# Altium PCB doanthue_13_4_2020.PcbDoc
Units mil, origin at the board's own origin, x right, y up, seen from the top; angles counter-clockwise.
Board outline 3017 x 4362 mil, 2 copper layers (Top Layer, Bottom Layer); 69 components, 67 nets, 240 pads, 21 vias.
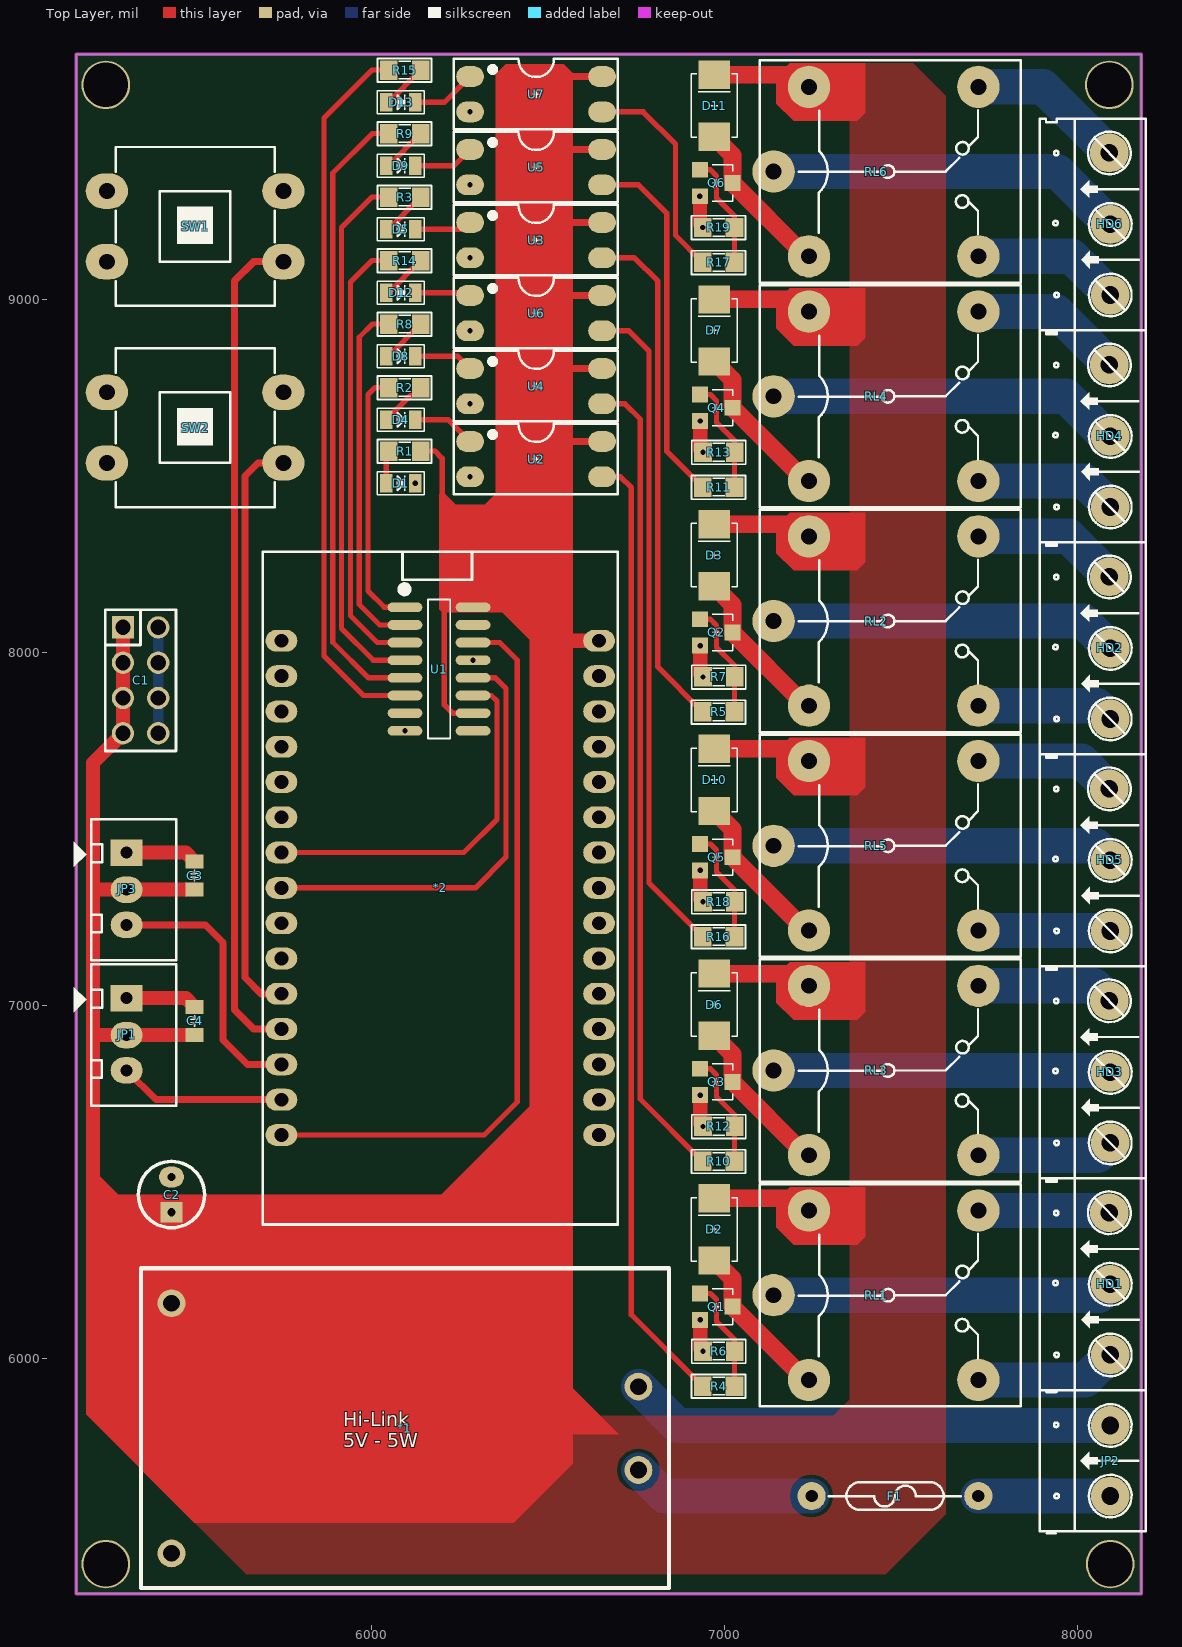
[diagram p0: Top Layer view]
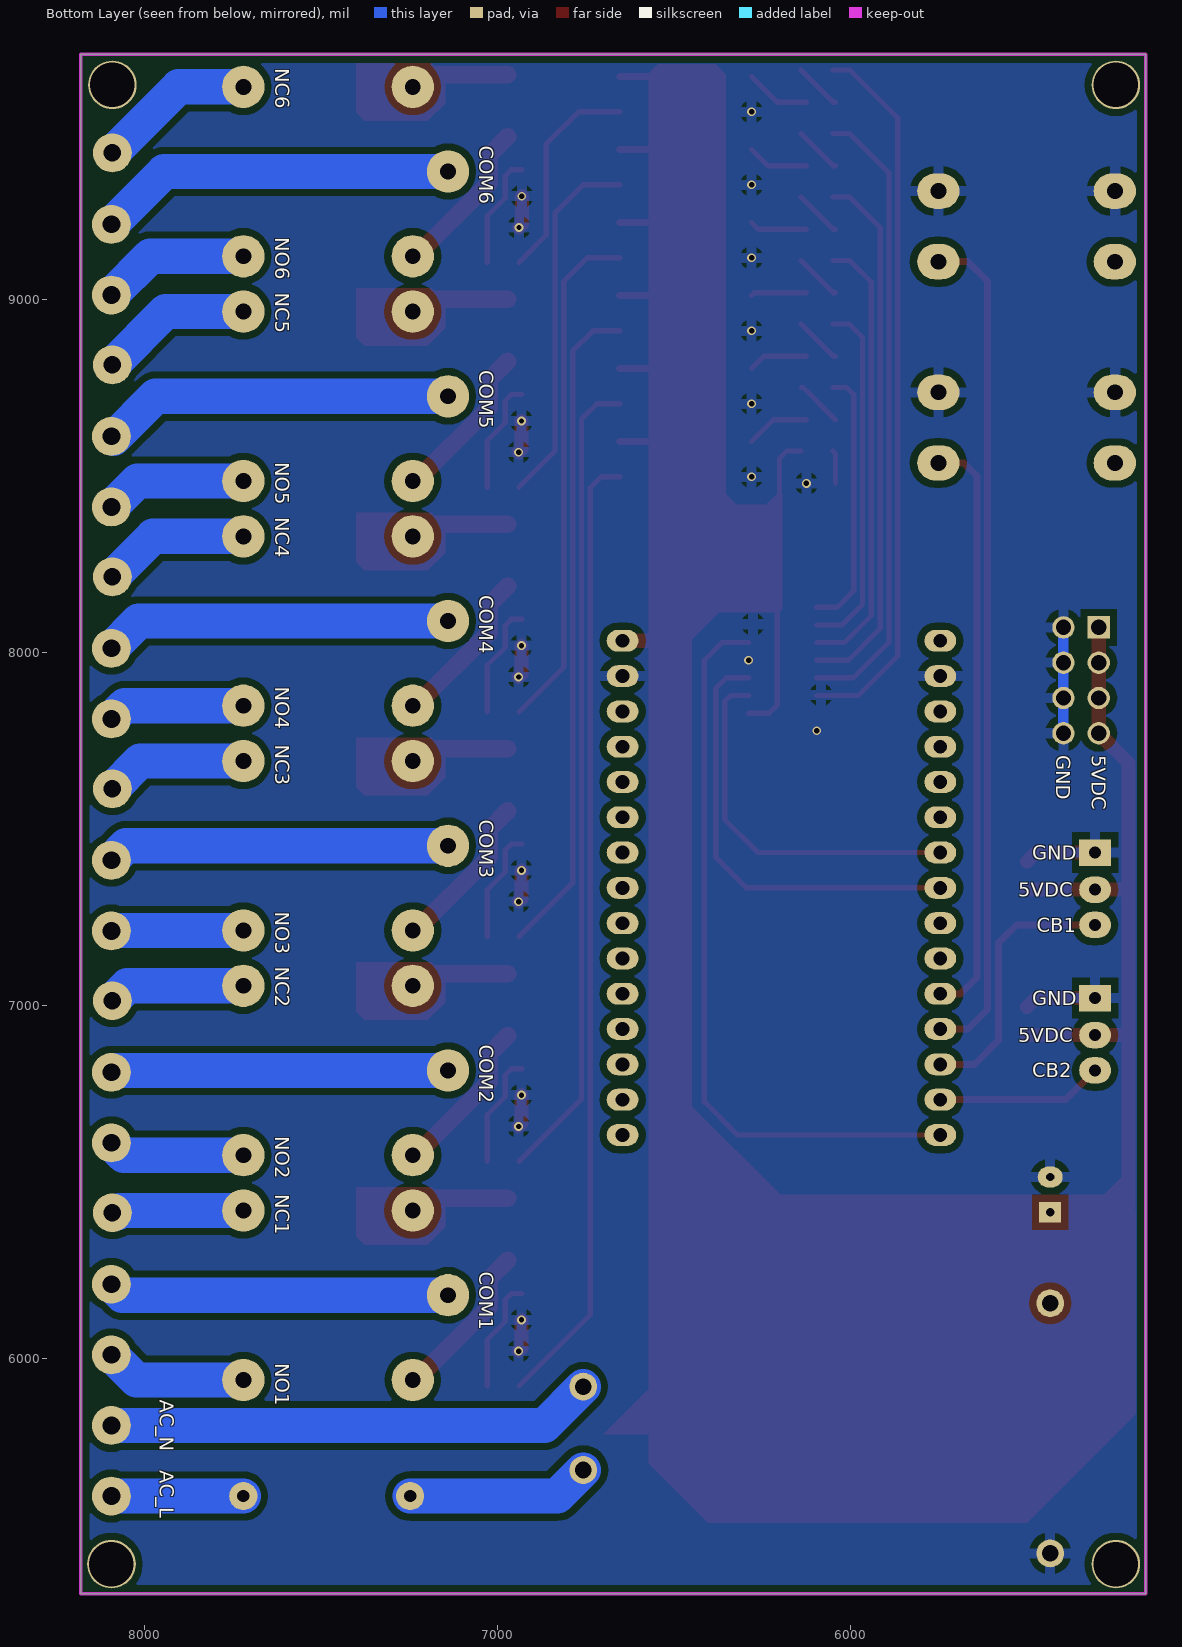
[diagram p1: Bottom Layer view, seen from below]
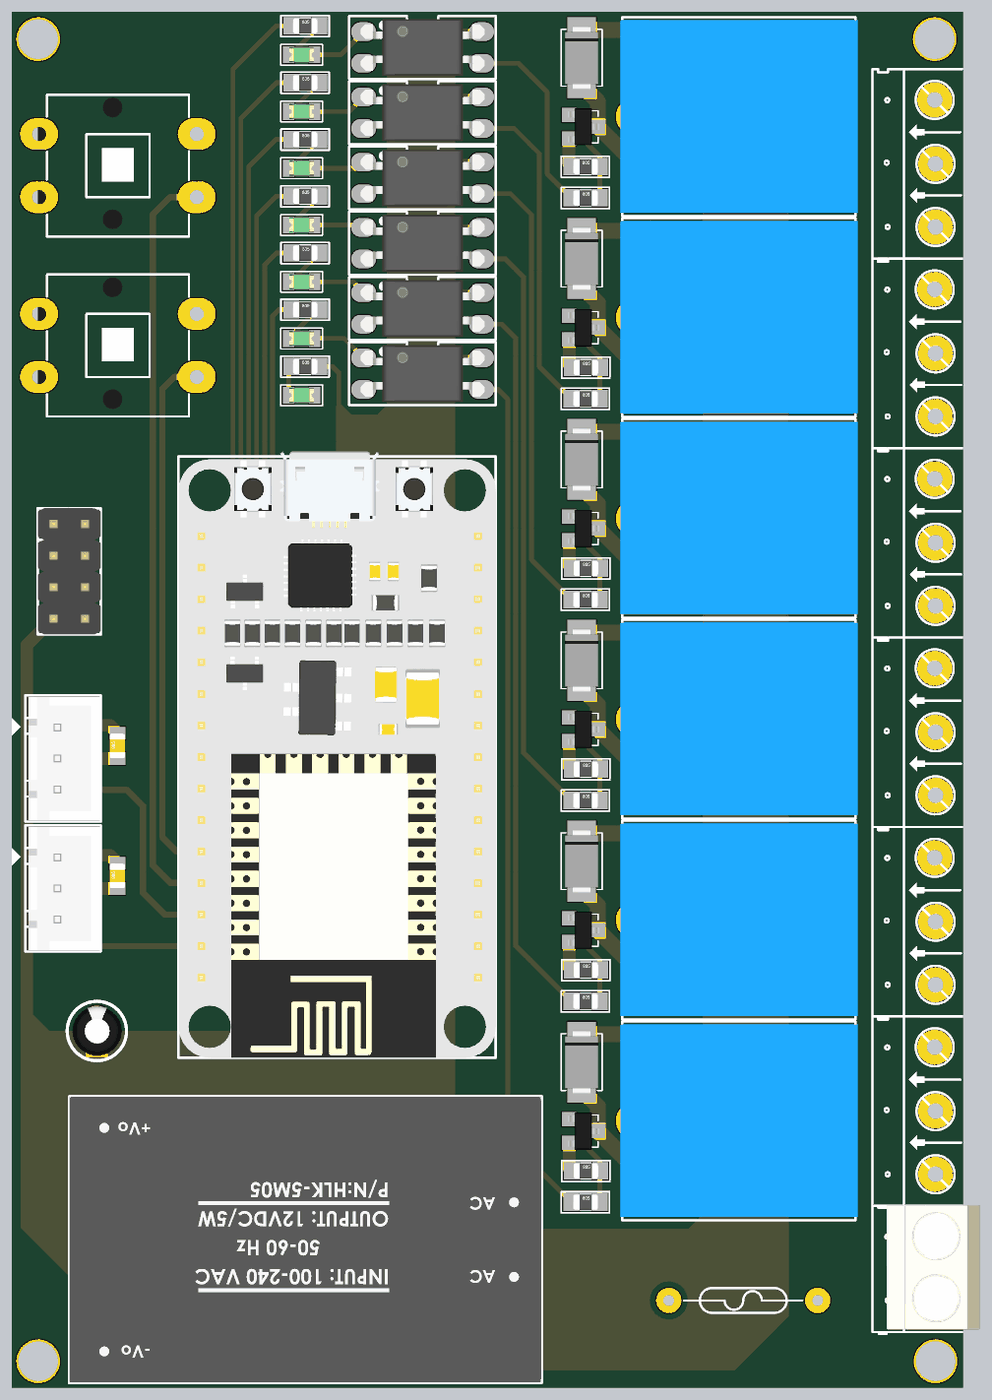
[diagram p2: 3D render of the assembled board from above, using the file's embedded part models]

## Layer stack, top to bottom
Top Solder: solder mask 0.4, Solder Resist, Dk 3.5
Top Layer: signal copper 1.4
Dielectric 1: dielectric 12.6, FR-4, Dk 4.8
Bottom Layer: signal copper 1.4
Bottom Solder: solder mask 0.4, Solder Resist, Dk 3.5

## Board outline
5163,5332 5163,9694 8180,9694 8180,5332

## Design rules (kind name [scope] priority, off if disabled: settings)
Clearance [All] p1: gap=10 ignorepadtopadclearanceinfootprint=FALSE except(0: Arc-Hole Track-Hole SMDPad-Hole THPad-Hole Via-Hole Fill-Hole Poly-Hole Region-Hole Text-Hole; 20: Arc-Fill Arc-Poly Arc-Region Track-Fill Track-Poly Track-Region SMDPad-Fill SMDPad-Poly SMDPad-Region THPad-Fill THPad-Poly THPad-Region Via-Fill Via-Poly Via-Region Fill-Fill Fill-Poly Fill-Region Poly-Poly Poly-Region Region-Region)
PlaneConnect [All] p1: planeconnectstyle=Relief reliefexpansion=20 reliefentries=4 reliefconductorwidth=30 reliefairgap=20
PolygonConnect [All] p1: connectstyle=Relief reliefconductorwidth=30 reliefentries=4 polygonreliefangle="90 Angle" airgapwidth=20
RoutingVias [All] p1: holewidth=28 width=50 viastyle="Through Hole" minholewidth=28 minwidth=50 maxholewidth=28 maxwidth=50
SolderMaskExpansion [All] p1: expansion=4
Width [All] p1: maxlimit=200 minlimit=10 preferedwidth=10
29 further rules are at their usual default settings.

## Components (designator, comment, footprint, x,y, rotation, side; value= is the part's Value field where it differs from the comment)
*1 "Hi-Link" Hi-Link 6096,5748 r180 top
*2 "Module ESP8266 CP2102" "Module ESP8266 CP2102" 5689.5,6374 r0 top
C1 "JP4x2" JP4-D2T 5345.56,7920 r270 top
C2 "10uF" CA-ALU-2.54 5433.12,6463 r90 top value=104
C3 "0805 104" CAP-0805-SC 5498,7366.99 r90 top
C4 "0805 104" CAP-0805-SC 5498,6954.99 r90 top
D1 "LED" LED_SMD_0805 6082.5,8478.1 r0 top
D2 "DIODE" "DO 214AC" 6970.5,6364.5 r90 top
D3 "DIODE" "DO 214AC" 6970.5,8274.54 r90 top
D4 "LED" LED_SMD_0805 6082.5,8658 r0 top
D5 "LED" LED_SMD_0805 6082.5,9197.72 r0 top
D6 "DIODE" "DO 214AC" 6970.5,7001.18 r90 top
D7 "DIODE" "DO 214AC" 6970.5,8911.22 r90 top
D8 "LED" LED_SMD_0805 6082.5,8837.91 r0 top
D9 "LED" LED_SMD_0805 6082.5,9377.62 r0 top
D10 "DIODE" "DO 214AC" 6970.5,7637.86 r90 top
D11 "DIODE" "DO 214AC" 6970.5,9547.9 r90 top
D12 "LED" LED_SMD_0805 6082.5,9017.81 r0 top
D13 "LED" LED_SMD_0805 6082.5,9557.53 r0 top
F1 "FUSE" FUSE-SC 7719,5609 r180 top
HD1 "Header 3" HED3 8092.62,6009 r90 top
HD2 "Header 3" HED3 8092.62,7810.57 r90 top
HD3 "Header 3" HED3 8092.62,6609.52 r90 top
HD4 "Header 3" HED3 8092.62,8411.1 r90 top
HD5 "Header 3" HED3 8092.62,7210.05 r90 top
HD6 "Header 3" HED3 8092.62,9011.62 r90 top
JP1 "JP3" CON3 5306,7015 r270 top value="Connector 3"
JP2 "Header 2_1" HED2 8092.62,5609 r90 top value="Header 2"
JP3 "JP3" CON3 5306,7427 r270 top value="Connector 3"
Q1 "C1815" SOT23 6976.26,6145.6 r270 top
Q2 "C1815" SOT23 6976.26,8055.64 r270 top
Q3 "C1815" SOT23 6976.26,6782.28 r270 top
Q4 "C1815" SOT23 6976.26,8692.32 r270 top
Q5 "C1815" SOT23 6976.26,7418.96 r270 top
Q6 "C1815" SOT23 6976.26,9329 r270 top
R1 "220R" SM-RES-0805 6049,8569.55 r0 top value="R1/4W - 1K"
R2 "220R" SM-RES-0805 6049,8749.46 r0 top value="R1/4W - 1K"
R3 "220R" SM-RES-0805 6049,9289.17 r0 top value="R1/4W - 1K"
R4 "470R" SM-RES-0805 6938,5920.6 r0 top value="R1/4W - 1K"
R5 "470R" SM-RES-0805 6938,7830.64 r0 top value="R1/4W - 1K"
R6 "10K" SM-RES-0805 6939,6019.6 r0 top value="R1/4W - 1K"
R7 "10K" SM-RES-0805 6939,7929.64 r0 top value="R1/4W - 1K"
R8 "220R" SM-RES-0805 6049,8929.36 r0 top value="R1/4W - 1K"
R9 "220R" SM-RES-0805 6049,9469.07 r0 top value="R1/4W - 1K"
R10 "470R" SM-RES-0805 6938,6557.28 r0 top value="R1/4W - 1K"
R11 "470R" SM-RES-0805 6938,8467.32 r0 top value="R1/4W - 1K"
R12 "10K" SM-RES-0805 6939,6656.28 r0 top value="R1/4W - 1K"
R13 "10K" SM-RES-0805 6939,8566.32 r0 top value="R1/4W - 1K"
R14 "220R" SM-RES-0805 6049,9109.26 r0 top value="R1/4W - 1K"
R15 "220R" SM-RES-0805 6049,9648.98 r0 top value="R1/4W - 1K"
R16 "470R" SM-RES-0805 6938,7193.96 r0 top value="R1/4W - 1K"
R17 "470R" SM-RES-0805 6938,9104 r0 top value="R1/4W - 1K"
R18 "10K" SM-RES-0805 6939,7292.96 r0 top value="R1/4W - 1K"
R19 "10K" SM-RES-0805 6938,9203 r0 top value="R1/4W - 1K"
RL1 "Relay 10A/5V" RL_SPDT_10A 7139,6178 r0 top value="Relay SPDT, 10A, 12V"
RL2 "Relay 10A/5V" RL_SPDT_10A 7139,8088.04 r0 top value="Relay SPDT, 10A, 12V"
RL3 "Relay 10A/5V" RL_SPDT_10A 7139,6814.68 r0 top value="Relay SPDT, 10A, 12V"
RL4 "Relay 10A/5V" RL_SPDT_10A 7139,8724.72 r0 top value="Relay SPDT, 10A, 12V"
RL5 "Relay 10A/5V" RL_SPDT_10A 7139,7451.36 r0 top value="Relay SPDT, 10A, 12V"
RL6 "Relay 10A/5V" RL_SPDT_10A 7139,9361.4 r0 top value="Relay SPDT, 10A, 12V"
SW1 "SW" SW4B 5250,9106 r0 top value="Button chip 4 pin"
SW2 "SW" SW4B 5250,8536 r0 top value="Button chip 4 pin"
U1 "74HC595" SO-16-M 6191,7952 r270 top
U2 "PC817" PC817 6466,8546.6 r0 top
U3 "PC817" PC817 6466,9167 r0 top
U4 "PC817" PC817 6466,8753.4 r0 top
U5 "PC817" PC817 6466,9373.8 r0 top
U6 "PC817" PC817 6466,8960.2 r0 top
U7 "PC817" PC817 6466,9580.6 r0 top

## Footprints (in the part's own frame and the unit in brackets; to place one, negate y for a bottom-side part, rotate by r counter-clockwise, add the part's x,y. Pads: shape width x height; smd on the part's side, far side on the other; paste and mask are expansions set on the pad)
CA-ALU-2.54 [mm]
  rect 1.5x1.58 hole 0.6: 1(-1.27,0)
  oval 1.5x1.8 hole 0.6: 2(1.27,0)
  silkscreen extent -2.39,-2.39 2.39,2.39, body extent -2,-2.03 1.99,1.97, height 7.01
CAP-0805-SC [mil] "smdchip"
  rect 40x50 smd: 1(-39.99,-0.39) 2(40.01,-0.39)
  silkscreen extent -15,-10 15,10, body extent -39,-25 39,25, height 31
CON3 [mil] "CON 3"
  rect 75x90 hole 34: 1(-5,0)
  oval 75x90 hole 34: 2(100,0) 3(200,0)
  silkscreen extent -100,-150 300,140, body extent -95,-90 295,136, height 276
"DO 214AC" [mil]
  rect 80x90 smd: 1(-88,0) 2(88,0)
  silkscreen extent -90,-65 90,65, body extent -101,-53 100,52, height 85
FUSE-SC [mil]
  round 80 hole 35: 1(0,0) 2(472.44,0)
  silkscreen extent 49,-39 423,39
HED2 [mil] "Header 2, 2 pin, hight 300mil, Pin to Pin 200, Colour Green"
  round 110 hole 50: 1(0,0) 2(200,0)
  silkscreen extent -106,-100 300,200, body extent -92,-140 302,155, height 394
HED3 [mil] "Header 3, 3 pin, hight 300mil, Pin to Pin 200, Colour Green"
  round 110 hole 50: 1(0,0) 2(200,0) 3(402.62,2.62)
  silkscreen extent -106,-100 500,200
Hi-Link [mm]
  round 2 hole 1.2: 1(-16.763,1.655) 2(-16.763,-4.345) 3(16.837,7.655) 4(16.837,-10.345)
  silkscreen extent -18.96,-12.86 19.04,10.14, body extent -18.96,-12.86 19.04,10.14, height 18
JP4-D2T [mm] "8 pins, dual pin, straight, gold plating"
  rect 1.61x1.6 hole 1.1: 1(-3.81,-1.27)
  oval 1.61x1.6 hole 1.1: 2(-1.27,-1.27) 3(1.27,-1.27) 4(3.81,-1.27) 5(3.81,1.27) 6(1.27,1.27) 7(-1.27,1.27) 8(-3.81,1.27)
  silkscreen extent -5.08,-2.54 5.08,2.54, body extent -5.08,-2.54 5.08,2.54, height 8.55
LED_SMD_0805 [mm]
  rect 0.9x1.35 smd: 1(-1.05,0) 2(1.05,0)
  silkscreen extent -1.68,-0.84 1.68,0.84, body extent -1.01,-0.62 1.01,0.63, height 1.1
"Module ESP8266 CP2102" [mil]
  oval 90x62 hole 39: 1(55,1658) 2(55,1558) 3(55,1458) 4(55,1358) 5(55,1258) 6(55,1158) 7(55,1058) 8(55,958) 9(55,858) 10(55,758) 11(55,658) 12(55,558) 13(55,458) 14(55,358) 15(55,258) 16(955,1658) 17(955,1558) 18(955,1458) 19(955,1358) 20(955,1258) 21(955,1158) 22(955,1058) 23(955,958) 24(955,858) 25(955,758) 26(955,658) 27(955,558) 28(955,458) 29(955,358) 30(955,258)
  silkscreen extent 2,4 1008,1910, body extent 3,4 1009,1926, height 311
PC817 [mm]
  oval 2x1.5 smd: 1(-4.75,1.27) 2(-4.75,-1.27) 3(4.75,-1.27) 4(4.75,1.27)
  silkscreen extent -5.91,-2.54 5.89,2.55, body extent -5,-2.29 5,2.29, height 3.85
RL_SPDT_10A [mil] "Relay SPDT, 5 pin, 10A,W 650mil, L 800mil, H 800mil"
  round 120 hole 45: 1(0,0) 2(580,240) 3(580,-240) 4(100,-240) 5(100,240)
  silkscreen extent -40,-315 700,315, body extent -46,-304 706,306, height 602
SM-RES-0805 [mil]
  rect 50x55 smd: 1(0,0) 2(90,0)
  silkscreen extent -32,-34 121,33, body extent 6,-25 84,25, height 31
SO-16-M [mm] "74HC595;SOIC, 16-Leads, Body 9.9x3.9mm, Pitch 1.27mm, IPC Low Density"
  oval 0.7x2.5 smd: 1(-4.445,-2.45) 2(-3.175,-2.45) 3(-1.905,-2.45) 4(-0.635,-2.45) 5(0.635,-2.45) 6(1.905,-2.45) 7(3.175,-2.45) 8(4.445,-2.45) 9(4.445,2.45) 10(3.175,2.45) 11(1.905,2.45) 12(0.635,2.45) 13(-0.635,2.45) 14(-1.905,2.45) 15(-3.175,2.45) 16(-4.445,2.45)
  silkscreen extent -5.99,-2.74 5,0.8, body extent -5,-2.97 5,3.23, height 1.73
SOT23 [mil]
  rect 45x45 smd: 1(-37.4,-46.26) 2(37.4,-46.26) 3(0,46.26)
  silkscreen extent -51,-12 51,46, body extent -59,-50 59,50, height 43
SW4B [mil] "SW button 4pin, 450 x 450 mil"
  oval 120x100 hole 45: 1(0,200) 2(500,0) 3(500,200) 4(0,0)
  silkscreen extent 25,-125 475,325, body extent -3,-129 469,343, height 169

## Part data
C1: "WR-PHD 2.54 mm Dual Socket Header", Manufacturer="Würth Elektronik eiSos GmbH", partNo=61300821821, ComponentLink1 Description=Manufacturer, ComponentLink1URL=http://www.we-online.com, ComponentLink2 Description=Datasheet, ComponentLink2URL=http://katalog.we-online.de/em/datasheet/6130xx21821.pdf, Created by="Karrer Zheng", Created Date="29 March 2013", NoPins=08
C2: library part CN-ALU-DIP, "Capacitor (Semiconductor SIM Model)", LatestRevisionDate=17-Jul-2002, LatestRevisionNote="Re-released for DXP Platform.", PackageReference=C1206, Publisher="Altium Limited"
C3 C4: library part CAP-SMDCHIP
HD1 HD2 HD3 HD4 HD5 HD6: library part Hed3, "Header 3 (Green)"
JP1 JP3: library part Con3, "Connector 3"
JP2: "Header, 2-Pin", Manufacturer="Generic Components", Class=Connector
R1 R2 R3 R4 R5 R6 R7 R8 R9 R10 R11 R12 R13 R14 R15 R16 R17 R18 R19: library part R1/4W, "Resistor 1/4W"
RL1 RL2 RL3 RL4 RL5 RL6: library part "Relay 1", "Relay SPDT,10A - 12VDC 5 Pin", ="Relay SPDT, 10A, 24V"
SW1 SW2: library part SW4, "Switch button 4 pin"

## Free pads (board coordinates)
  round 137.8 hole 125.98: 9(5247,5416.24) 9(5247,9607) 9(8090,9607) 9(8092.62,5416.24)

## Via types
v1: diameter 25, hole 15, Top Layer to Bottom Layer, tented both sides, 21 vias

## Nets (pads, with @x,y where several pads share a name; then routed paths per layer and width w, separated by ;. In a path a pad name is that pad's centre, name@x,y a point inside that pad or via, vN(x,y) a via of type N, cw(c..) or ccw(c..) an arc to the next point about the centre after c; other vN are vias at no path point)
5VDC: *1.4 *2.16 C1.1 C1.2 C1.3 C1.4 C2.1 C3.1 C4.1 D2.2 D3.2 D6.2 D7.2 D10.2 D11.2 JP1.2 JP3.2 R1.2 RL1.5 RL2.5 RL3.5 RL4.5 RL5.5 RL6.5 U1.10 U1.16 U2.4 U3.4 U4.4 U5.4 U6.4 U7.4 | length 5501.2
  Top Layer w15: R1.2 6179.45,8569.55 6200,8549 6200,8411.1 ; U1.10 6229,7827 6206,7850 6206,8127 U1.16
  Top Layer w20: 6530,9217 U3.4 ; 6531.4,8803.4 U4.4 ; 6534.2,9010.2 U6.4 ; 6541.6,8596.6 U2.4 ; 6548.8,9423.8 U5.4 ; 6552.6,9630.6 U7.4
  Top Layer w40: 5211,6329 5211,6916 ; C1.1 C1.2 C1.3 C1.4 5211,7685.44 5211,7321 ; C4.1 JP1.2 5212,6915 5211,6916 ; C3.1 JP3.2 5217,7327 5211,7321 ; 6530,8032 *2.16 ; 5211,6916 5211,7321
  Top Layer w50: D2.2 7204.5,6452.5 RL1.5 ; D6.2 7204.5,7089.18 RL3.5 ; D10.2 7204.5,7725.86 RL5.5 ; D3.2 7204.5,8362.54 RL2.5 ; D7.2 7204.5,8999.22 RL4.5 ; D11.2 7204.5,9635.9 RL6.5
CBMUA: *2.13 JP3.3 | length 763.8
  Top Layer w20: JP3.3 5529,7227 5579,7177 5579,6901 5648,6832 *2.13
CBQUANG: *2.14 JP1.3 | length 472.9
  Top Layer w20: JP1.3 5389,6732 *2.14
GND: *1.3 *2.2 *2.17 C1.5 C1.6 C1.7 C1.8 C2.2 C3.2 C4.2 D1.2 JP1.1 JP3.1 Q1.2 Q2.2 Q3.2 Q4.2 Q5.2 Q6.2 R6.1 R7.1 R12.1 R13.1 R18.1 R19.1 SW1.1 SW1.3 SW2.1 SW2.3 U1.8 U1.13 U2.2 U3.2 U4.2 U5.2 U6.2 U7.2 | length 1257
  Top Layer w40: JP1.1 5473.39,7020 C4.2 ; JP3.1 5473.39,7432 C3.2 ; v1(6930,9291.6) 6930,9211 v1(6938,9203) ; v1(6931,6108.2) 6931,6027.6 v1(6939,6019.6) ; v1(6931,6744.88) 6931,6664.28 v1(6939,6656.28) ; v1(6931,7381.56) 6931,7300.96 v1(6939,7292.96) ; v1(6931,8018.24) 6931,7937.64 v1(6939,7929.64) ; v1(6931,8654.92) 6931,8574.32 v1(6939,8566.32)
  Bottom Layer w30: C1.5 C1.6 C1.7 C1.8
  other v1: 6094.54,7777 6287.46,7977 6123.84,8478.1 6279,8496.6 6279,8703.4 6279,8910.2 6279,9117 6279,9323.8 6279,9530.6
LATCH: *2.8 U1.12 | length 1256.5
  Top Layer w15: *2.8 6294.04,7332 6381,7418.96 6381,7897 6351,7927 U1.12
Net*1_1: *1.1 F1.2 | length 521.2
  Bottom Layer w100: *1.1 6829.79,5609 F1.2
Net*1_2: *1.2 JP2.2 | length 1382.3
  Bottom Layer w100: *1.2 6866.01,5809 JP2.2
NetD1_1: D1.1 R1.1 | length 94.7
  Top Layer w15: D1.1 6041.16,8561.71 R1.1
NetD2_1: D2.1 Q1.3 RL1.4 | length 454.9
  Top Layer w50: D2.1 7022.52,6224.48 Q1.3 7230.12,5938 RL1.4
NetD3_1: D3.1 Q2.3 RL2.4 | length 454.9
  Top Layer w50: D3.1 7022.52,8134.52 Q2.3 7230.12,7848.04 RL2.4
NetD4_1: D4.1 R2.2 | length 135.7
  Top Layer w15: D4.1 6132.61,8749.46 R2.2
NetD4_2: D4.2 U2.1 | length 180.6
  Top Layer w15: D4.2 6217.59,8658 U2.1
NetD5_1: D5.1 R3.2 | length 135.7
  Top Layer w15: D5.1 6047.55,9197.72 R3.2
NetD5_2: D5.2 U3.1 | length 163.1
  Top Layer w15: D5.2 6259.71,9197.72 U3.1
NetD6_1: D6.1 Q3.3 RL3.4 | length 454.9
  Top Layer w50: D6.1 7022.52,6861.16 Q3.3 7230.12,6574.68 RL3.4
NetD7_1: D7.1 Q4.3 RL4.4 | length 454.9
  Top Layer w50: D7.1 7022.52,8771.2 Q4.3 7230.12,8484.72 RL4.4
NetD8_1: D8.1 R8.2 | length 135.7
  Top Layer w15: D8.1 6047.55,8837.91 R8.2
NetD8_2: D8.2 U4.1 | length 169.5
  Top Layer w15: D8.2 6244.49,8837.91 U4.1
NetD9_1: D9.1 R9.2 | length 135.7
  Top Layer w15: D9.1 6047.55,9377.62 R9.2
NetD9_2: D9.2 U5.1 | length 174.3
  Top Layer w15: D9.2 6232.82,9377.62 U5.1
NetD10_1: D10.1 Q5.3 RL5.4 | length 454.9
  Top Layer w50: D10.1 7022.52,7497.84 Q5.3 7230.12,7211.36 RL5.4
NetD11_1: D11.1 Q6.3 RL6.4 | length 454.9
  Top Layer w50: D11.1 7022.52,9407.88 Q6.3 7230.12,9121.4 RL6.4
NetD12_1: D12.1 R14.2 | length 135.7
  Top Layer w15: D12.1 6047.55,9017.81 R14.2
NetD12_2: D12.2 U6.1 | length 158.3
  Top Layer w15: D12.2 6271.38,9017.81 U6.1
NetD13_1: D13.1 R15.2 | length 135.7
  Top Layer w15: D13.1 6047.55,9557.53 R15.2
NetD13_2: D13.2 U7.1 | length 185.4
  Top Layer w15: D13.2 6205.92,9557.53 U7.1
NetF1_1: F1.1 JP2.1 | length 373.6
  Bottom Layer w100: F1.1 JP2.1
NetHD1_1: HD1.1 RL1.3 | length 403
  Bottom Layer w100: RL1.3 8021.62,5938 HD1.1
NetHD1_2: HD1.2 RL1.1 | length 966.5
  Bottom Layer w100: RL1.1 8061.62,6178 HD1.2
NetHD1_3: HD1.3 RL1.2 | length 359.6
  Bottom Layer w100: RL1.2 8069.62,6418 HD1.3@8076,6411.62
NetHD2_1: HD2.1 RL2.3 | length 389.1
  Bottom Layer w100: RL2.3 8055.15,7848.04 HD2.1
NetHD2_2: HD2.2 RL2.1 | length 985.7
  Bottom Layer w100: RL2.1 8015.15,8088.04 HD2.2
NetHD2_3: HD2.3 RL2.2 | length 418.6
  Bottom Layer w100: RL2.2 7975.15,8328.04 HD2.3
NetHD3_1: HD3.1 RL3.3 | length 388.1
  Bottom Layer w100: RL3.3 8057.77,6574.68 HD3.1
NetHD3_2: HD3.2 RL3.1 | length 955.8
  Bottom Layer w100: RL3.1 8087.46,6814.68 HD3.2
NetHD3_3: HD3.3 RL3.2 | length 388.6
  Bottom Layer w100: RL3.2 8047.46,7054.68 HD3.3
NetHD4_1: HD4.1 RL4.3 | length 404.1
  Bottom Layer w100: RL4.3 8019,8484.72 HD4.1
NetHD4_2: HD4.2 RL4.1 | length 997.3
  Bottom Layer w100: RL4.1 7967.61,8724.72 HD4.2@8086.93,8605.4
NetHD4_3: HD4.3 RL4.2 | length 433.5
  Bottom Layer w100: RL4.2 7939,8964.72 HD4.3
NetHD5_1: HD5.1 RL5.3 | length 374.2
  Bottom Layer w100: RL5.3 8091.31,7211.36 HD5.1
NetHD5_2: HD5.2 RL5.1 | length 970.7
  Bottom Layer w100: RL5.1 8051.31,7451.36 HD5.2
NetHD5_3: HD5.3 RL5.2 | length 403.6
  Bottom Layer w100: RL5.2 8011.31,7691.36 HD5.3
NetHD6_1: HD6.1 RL6.3 | length 419.1
  Bottom Layer w100: RL6.3 7982.84,9121.4 HD6.1
NetHD6_2: HD6.2 RL6.1 | length 1015.7
  Bottom Layer w100: RL6.1 7942.84,9361.4 HD6.2
NetHD6_3: HD6.3 RL6.2 | length 448.5
  Bottom Layer w100: RL6.2 7902.84,9601.4 HD6.3
NetQ1_1: Q1.1 R4.2 R6.2 | length 320.3
  Top Layer w15: Q1.1 6959.6,6183 6977.12,6165.48 6977.12,6103.48 7028,6052.6 7028,6019.6 R4.2
NetQ2_1: Q2.1 R5.2 R7.2 | length 320.3
  Top Layer w15: Q2.1 6959.6,8093.04 6977.12,8075.52 6977.12,8013.52 7028,7962.64 7028,7929.64 R5.2
NetQ3_1: Q3.1 R10.2 R12.2 | length 320.3
  Top Layer w15: Q3.1 6959.6,6819.68 6977.12,6802.16 6977.12,6740.16 7028,6689.28 7028,6656.28 R10.2
NetQ4_1: Q4.1 R11.2 R13.2 | length 320.3
  Top Layer w15: Q4.1 6959.6,8729.72 6977.12,8712.2 6977.12,8650.2 7028,8599.32 7028,8566.32 R11.2
NetQ5_1: Q5.1 R16.2 R18.2 | length 320.3
  Top Layer w15: Q5.1 6959.6,7456.36 6977.12,7438.84 6977.12,7376.84 7028,7325.96 7028,7292.96 R16.2
NetQ6_1: Q6.1 R17.2 R19.2 | length 320.3
  Top Layer w15: Q6.1 6959.6,9366.4 6977.12,9348.88 6977.12,9286.88 7028,9236 R19.2 R17.2
NetR4_1: R4.1 U2.3 | length 2724.7
  Top Layer w15: U2.3 6705.4,8496.6 6736,8466 6736,6122.6 R4.1
NetR5_1: R5.1 U3.3 | length 1458.3
  Top Layer w15: U3.3 6745,9117 6811,9051 6811,7957.64 R5.1
NetR10_1: R10.1 U4.3 | length 2302
  Top Layer w15: U4.3 6717.6,8703.4 6761,8660 6761,6734.28 R10.1
NetR11_1: R11.1 U5.3 | length 1035
  Top Layer w15: U5.3 6756.2,9323.8 6836,9244 6836,8569.32 R11.1
NetR16_1: R16.1 U6.3 | length 1878.7
  Top Layer w15: U6.3 6728.8,8910.2 6786,8853 6786,7345.96 R16.1
NetR17_1: R17.1 U7.3 | length 612.8
  Top Layer w15: U7.3 6769.4,9530.6 6861,9439 6861,9181 R17.1
NUTNHAN1: *2.12 SW1.2 | length 2382.1
  Top Layer w20: *2.12 5666,6932 5611,6987 5611,9051 5666,9106 SW1.2
NUTNHAN2: *2.11 SW2.2 | length 1667.9
  Top Layer w20: *2.11 5687,7032 5641,7078 5641,8499 5678,8536 SW2.2
RL1: R2.1 U1.1 | length 747.7
  Top Layer w15: R2.1 6009.46,8749.46 5990,8730 5990,8173 6036,8127 U1.1
RL2: R8.1 U1.2 | length 1010
  Top Layer w15: R8.1 6002.36,8929.36 5965,8892 5965,8135 6023,8077 U1.2
RL3: R14.1 U1.3 | length 1265.4
  Top Layer w15: R14.1 6001.26,9109.26 5940,9048 5940,8103 6016,8027 U1.3
RL4: R3.1 U1.4 | length 1522.5
  Top Layer w15: R3.1 6001.17,9289.17 5915,9203 5915,8067 6005,7977 U1.4
RL5: R9.1 U1.5 | length 1780.8
  Top Layer w15: R9.1 6002.07,9469.07 5890,9357 5890,8028 5991,7927 U1.5
RL6: R15.1 U1.6 | length 2040.3
  Top Layer w15: R15.1 6000.98,9648.98 5865,9513 5865,7989 5977,7877 U1.6
SCK: *2.7 U1.11 | length 1058.6
  Top Layer w15: *2.7 6261,7432 6355,7526 6355,7861 6339,7877 U1.11
SDA: *2.15 U1.14 | length 2104.7
  Top Layer w15: *2.15 6319,6632 6413,6726 6413,7977 6363,8027 U1.14
pads on no net: *2.1 *2.3 *2.4 *2.5 *2.6 *2.9 *2.10 *2.18 *2.19 *2.20 *2.21 *2.22 *2.23 *2.24 *2.25 *2.26 *2.27 *2.28 *2.29 *2.30 SW1.4 SW2.4 U1.7 U1.9 U1.15

## Polygon pours and split planes (outlines as drawn)
5VDC on Top Layer "phu mass" (solid, pour order 2): 6432,5763 6506,5837 7308,5837 7354,5883 7354,9623 7399,9668 7535,9668 7627,9576 7627,5558 7456,5387 5645,5387 5359,5673 5359,5714 5408,5763
no net on Top Layer "phu mass" (solid, pour order 0): 6459,5885
GND on Bottom Layer "phu mass" (solid, pour order 4): 5163,9694 8180,9694 8180,5332 5163,5332

## Keep-outs
Keep-Out Layer:
  region: 5064,10001
  lines w10: 5163,5332 5163,9694 8180,9694 8180,5332 5163,5332

## Other copper
Top Layer:
  region net 5VDC: 5207,6537.5 5327,6417.5 5260,6417.5 5207,6470.5
  region net 5VDC: 5210,6350
  region net 5VDC: 7399,6484.6 7185,6484.6 7147,6446.6 7147,6370.6 7196,6321.6 7376.5,6321.6 7399,6344.1
  region net 5VDC: 7399,7121.28 7185,7121.28 7147,7083.28 7147,7007.28 7196,6958.28 7376.5,6958.28 7399,6980.78
  region net 5VDC: 7399,7757.96 7185,7757.96 7147,7719.96 7147,7643.96 7196,7594.96 7376.5,7594.96 7399,7617.46
  region net 5VDC: 7399,8394.64 7185,8394.64 7147,8356.64 7147,8280.64 7196,8231.64 7376.5,8231.64 7399,8254.14
  region net 5VDC: 7399,9031.32 7185,9031.32 7147,8993.32 7147,8917.32 7196,8868.32 7376.5,8868.32 7399,8890.82
  region net 5VDC: 7399,9668 7185,9668 7147,9630 7147,9554 7196,9505 7376.5,9505 7399,9527.5
  region net 5VDC: 6520,5964 6700,5784 6572,5784 6520,5836
  region net 5VDC: 6371,8467 6321,8417 6239,8417 6207,8449 6194,8449 6192,8447 6192,8121 6200,8113 6375,8113 6390,8128 6390,8467
  region net 5VDC: 6197,6463 5240,6463 5191,6414 5191,5841.01 5498,5534 6403,5534 6570,5701 6570,9640 6545,9665 6380,9665 6352,9637 6352,8131 6448,8035 6448,6714

## Silkscreen, mask and mechanical layers (free items; w line width, h text height)
Bottom Overlay:
  text "NC6" at 7628,9654.71 h40 r90
  text "COM6" at 7051,9434.71 h40 r90
  text "NO6" at 7628,9174.71 h40 r90
  text "NC5" at 7628,9018.03 h40 r90
  text "COM5" at 7051,8798.03 h40 r90
  text "NO5" at 7628,8538.03 h40 r90
  text "NC4" at 7628,8381.35 h40 r90
  text "COM4" at 7051,8161.35 h40 r90
  text "NO4" at 7628,7901.35 h40 r90
  text "NC3" at 7628,7738.01 h40 r90
  text "5VDC" at 5315.56,7707.32 h40 r90
  text "GND" at 5415.56,7707.32 h40 r90
  text "COM3" at 7051,7524.67 h40 r90
  text "GND" at 5484.33,7412.01 h40
  text "5VDC" at 5524.32,7307.01 h40
  text "NO3" at 7628,7264.68 h40 r90
  text "CB1" at 5471,7207.01 h40
  text "NC2" at 7628,7108 h40 r90
  text "GND" at 5484.33,7000.01 h40
  text "5VDC" at 5524.32,6895.01 h40
  text "COM2" at 7051,6887.99 h40 r90
  text "CB2" at 5484.33,6795.01 h40
  text "NO2" at 7628,6628 h40 r90
  text "NC1" at 7628,6464.65 h40 r90
  text "COM1" at 7051,6244.65 h40 r90
  text "NO1" at 7628,5984.65 h40 r90
  text "AC_N" at 7956,5882.31 h40 r90
  text "AC_L" at 7956,5682.31 h40 r90
Bottom Solder:
  lines w80: 7139,6178 8061.62,6178 8092.62,6209 ; 7139,6814.68 8087.46,6814.68 8092.62,6809.52 ; 7139,7451.36 8051.31,7451.36 8092.62,7410.05 ; 7139,8088.04 8015.15,8088.04 8092.62,8010.57 ; 7139,8724.72 7979,8724.72 8092.62,8611.1 ; 7139,9361.4 7942.84,9361.4 8092.62,9211.62 ; 7719,5938 8021.62,5938 8092.62,6009 ; 7719,6418 8083.62,6418 8090,6411.62 ; 7719,6574.68 8057.77,6574.68 8092.62,6609.52 ; 7719,7054.68 8047.46,7054.68 8090,7012.14 ; 7719,7211.36 8091.31,7211.36 ; 7719,7691.36 8011.31,7691.36 8090,7612.67 ; 7719,7848.04 8055.15,7848.04 8092.62,7810.57 ; 7719,8328.04 7975.15,8328.04 8090,8213.19 ; 7719,8484.72 8019,8484.72 8092.62,8411.1 ; 7719,8964.72 7939,8964.72 8090,8813.71 ; 7719,9121.4 7982.84,9121.4 8092.62,9011.62 ; 7719,9601.4 7902.84,9601.4 8090,9414.24

## Text inside footprints (layer, text, board x,y; h text height)
*1: Top Overlay "Hi-Link / 5V - 5W" at 5920,5748 h39.37